# Altium PCB UmTRXv2.PcbDoc (part 14 of 25)
Units mm, origin at the board's own origin, x right, y up, seen from the top; angles counter-clockwise.
Board outline 159.5 x 99.5 mm, 6 copper layers (Top Layer, GND, MidLayer1, Mid-Layer 2, InternalPlane2, Bottom Layer), stack 1.526 mm thick; 708 components, 578 nets, 2802 pads, 1408 vias.
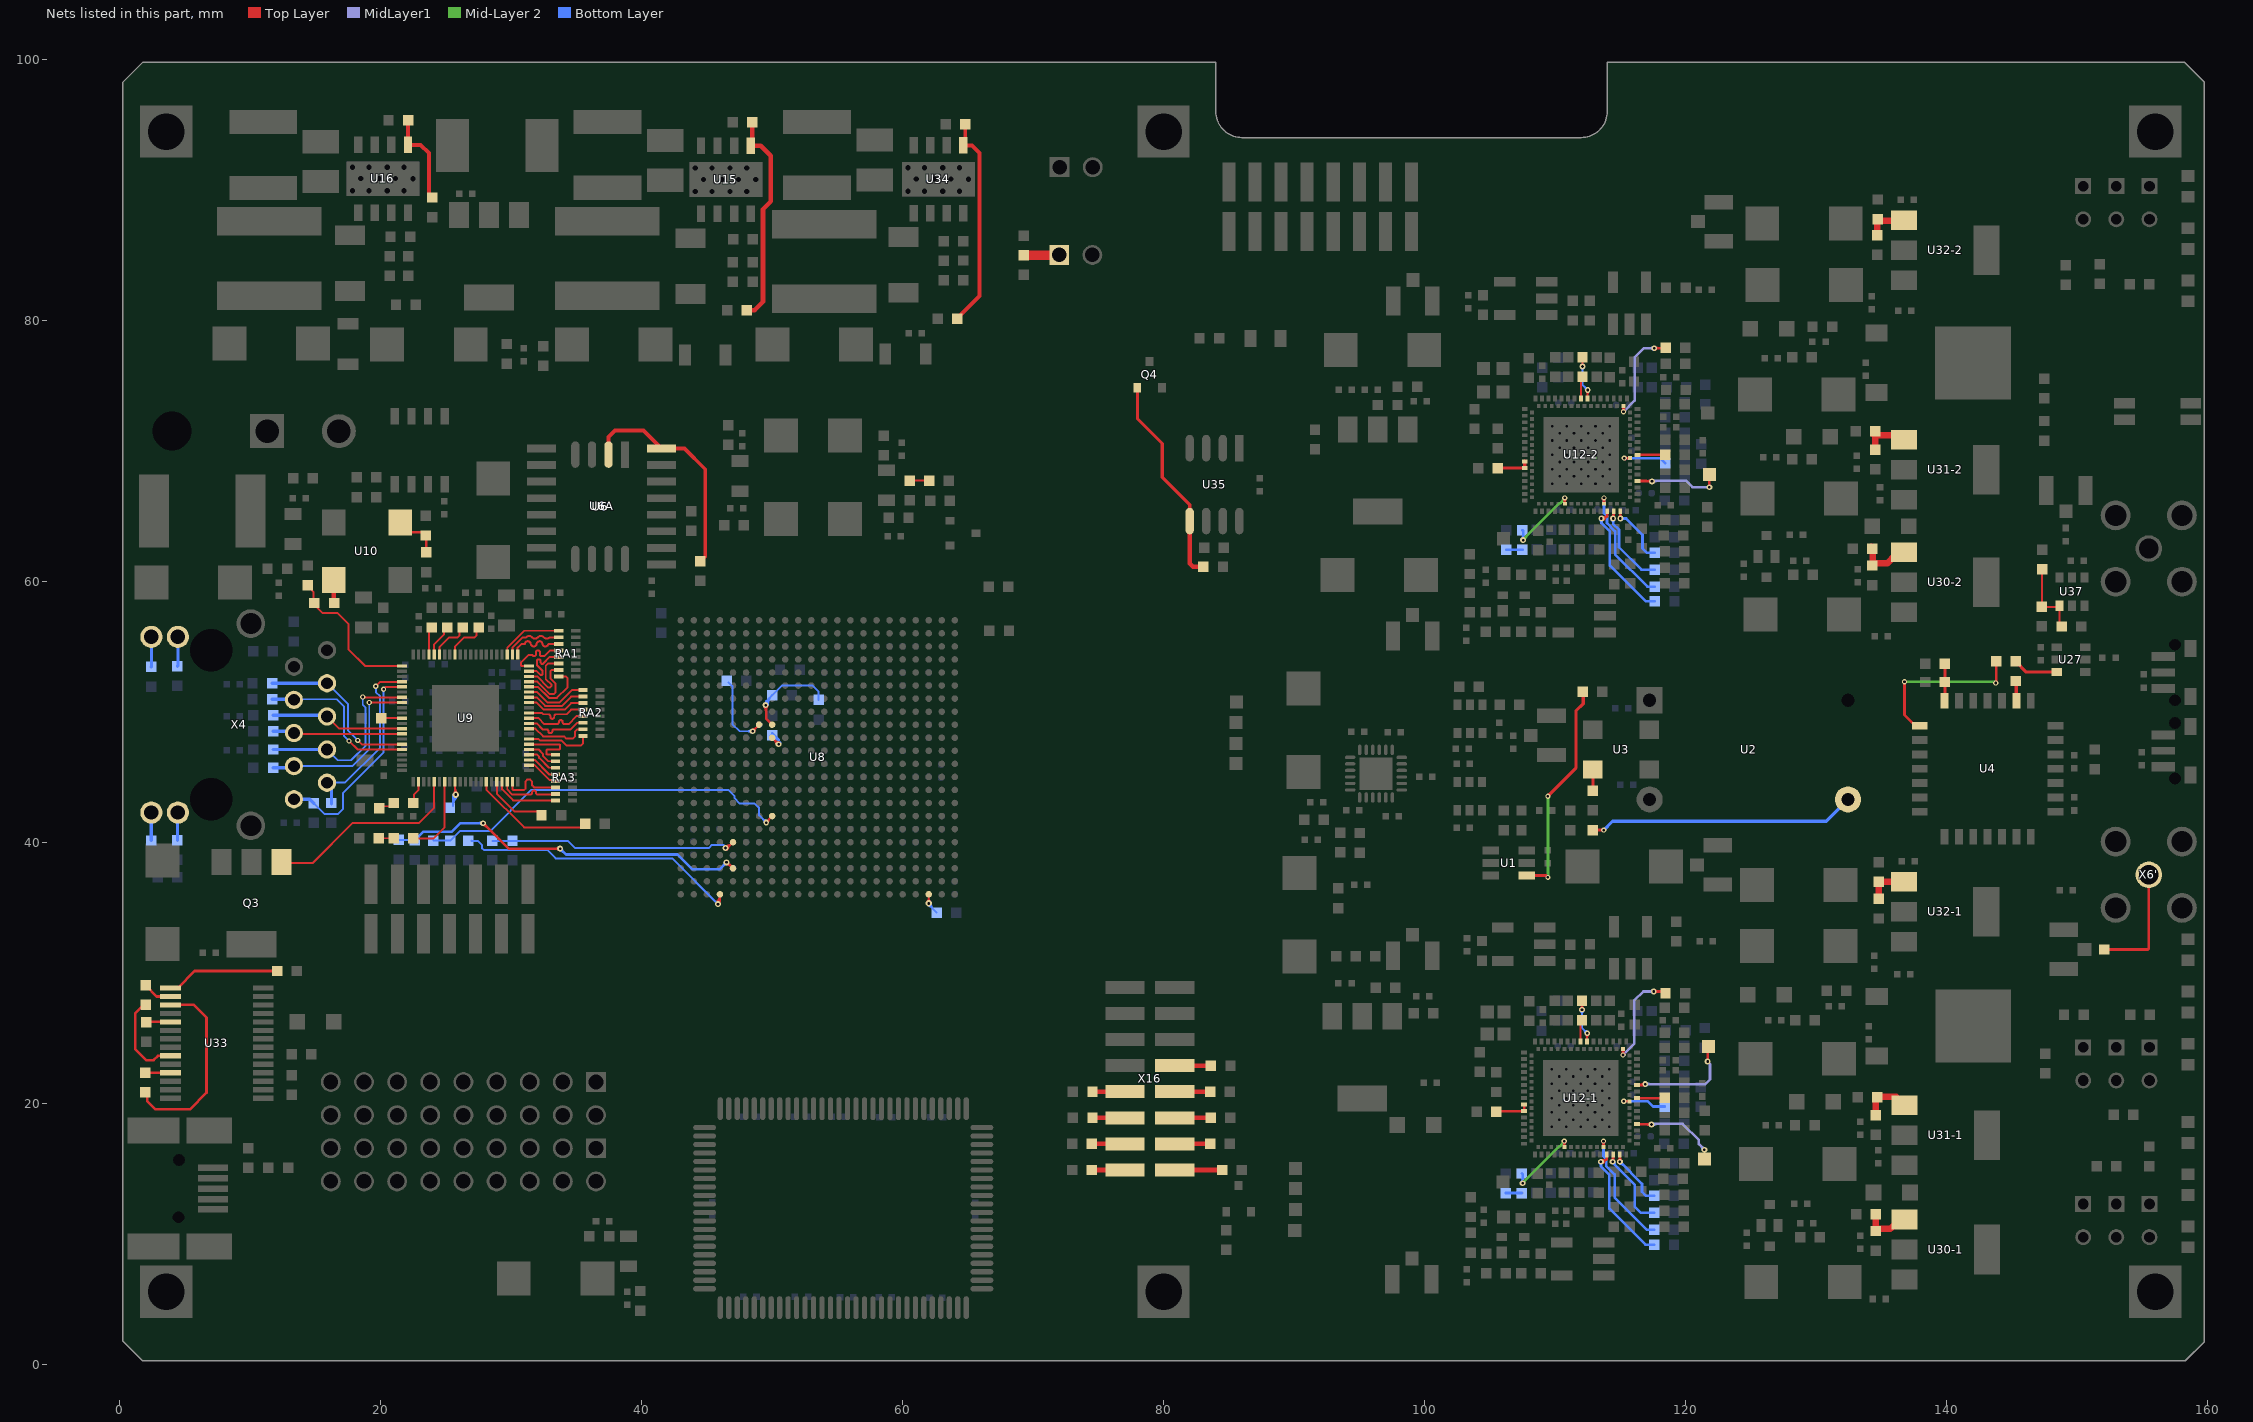
[diagram p18: the nets of this part, all layers, seen from the top]

## Via types
v1: diameter 0.5, hole 0.2, Top Layer to Bottom Layer, tented both sides, 441 vias
v2: diameter 0.45, hole 0.2, Top Layer to Bottom Layer, tented both sides, 429 vias
v3: diameter 0.7, hole 0.3, Top Layer to Bottom Layer, tented both sides, 258 vias
v4: diameter 0.4, hole 0.2, Top Layer to Bottom Layer, tented both sides, 197 vias
v5: diameter 0.8, hole 0.3, Top Layer to Bottom Layer, tented both sides, 61 vias
v6: diameter 0.6, hole 0.25, Top Layer to Bottom Layer, tented both sides, 16 vias
v7: diameter 0.6, hole 0.3, Top Layer to Bottom Layer, tented both sides, 4 vias
v8: diameter 1, hole 0.5, Top Layer to Bottom Layer, tented both sides, 2 vias

## Nets (pads, with @x,y where several pads share a name; then routed paths per layer and width w, separated by ;. In a path a pad name is that pad's centre, name@x,y a point inside that pad or via, vN(x,y) a via of type N, cw(c..) or ccw(c..) an arc to the next point about the centre after c; other vN are vias at no path point) (continued)
NetLED4_2: LED4.2 R29.2 | length 1.5
  Top Layer w0.15: R29.2@60.55,67.7 LED4.2@62.05,67.7
NetLED5_1: LED5.1 R55.1 | length 1.1
  Top Layer w0.15: LED5.1@19.9,42.6 20.05,42.75 20.75,42.75 R55.1@20.9,42.9
NetLED6_1: LED6.1 R57.1 | length 1.2
  Top Layer w0.15: LED6.1@19.85,40.3 R57.1@21,40.3
NetQ3_1: Q3.1 U9.47 | length 15.5
  Top Layer w0.15: Q3.1@12.4,38.475 12.475,38.4 14.775,38.4 17.825,41.45 22.9,41.45 24.1,42.65 U9.47@24.1,44.625
NetQ4_1: Q4.1 R174.2 U35.5 | length 16.5
  Top Layer w0.25: Q4.1@78,74.85 78,72.45 79.9,70.55 79.9,67.95 81.995,65.855 U35.5@81.995,64.603
  Top Layer w0.35: U35.5@81.995,64.603 81.995,61.355 82.25,61.1 R174.2@83.2,61.1
NetR4_1: R4.1 U1.1 | length 17
  Top Layer w0.25: U1.1@107.835,37.449 109.301,37.449 v4(109.45,37.3) ; v4(109.45,43.525) 111.6,45.675 111.6,50.05 112.15,50.6 112.15,51.5 R4.1@112.125,51.525
  Mid-Layer 2 w0.25: v4(109.45,37.3) v4(109.45,43.525)
NetR6_1: R6.1 U2.8 | length 20.5
  Top Layer w0.25: R6.1@112.9,40.925 v4(113.725,40.925)
  Bottom Layer w0.25: v4(113.725,40.925) 114.4,41.6 130.775,41.6 U2.8@132.45,43.275
NetR7_1: R7.1 U3.3 | length 1.6
  Top Layer w0.25: R7.1@112.9,43.95 U3.3@112.9,45.575
NetR9_1: R9.1 U4.15 | length 12.8
  Top Layer w0.2: v4(136.775,52.3) 136.775,49.75 137.6,48.925 U4.15@137.95,48.925 ; v4(143.775,52.2) 143.8,52.225 R9.1@143.8,53.85
  Mid-Layer 2 w0.2: v4(136.775,52.3) 143.675,52.3 v4(143.775,52.2)
NetR9_2: R9.2 R10.2 U27.3 | length 3.5
  Top Layer w0.25: R9.2@145.3,53.85 146.113,53.037 U27.3@148.445,53.037
NetR10_1: R10.1 U4.9 | length 1.5
  Top Layer w0.25: R10.1@145.3,52.35 145.35,52.3 U4.9@145.35,50.825
NetR14_2: R14.2 R18.2 U8.C18 | length 36.2
  Top Layer w0.2: v2(27.85,41.45) 29.8,39.5 v2(33.75,39.5) ; v2(46.5,38.45) 46.55,38.5 46.55,38.45 U8.C18@47,38 ; v2@27.85,41.325 cw(c27.85,41.023) 28.063,41.237 ; v2@27.85,41.325 cw(c27.85,41.023) 28.063,41.237 ; v2@27.85,41.325 cw(c27.85,41.023) 28.063,41.237 ; v2@27.975,41.45 ccw(c28.277,41.45) 28.063,41.237 ; v2@27.975,41.45 ccw(c28.277,41.45) 28.063,41.237 ; v2@27.975,41.45 ccw(c28.277,41.45) 28.063,41.237 ; 33.448,39.5 cw(c33.448,39.198) v2@33.662,39.412 ; 33.448,39.5 ccw(c33.448,39.802) v2@33.662,39.588 ; 33.448,39.5 ccw(c33.448,39.802) v2@33.662,39.588 ; 33.448,39.5 cw(c33.448,39.198) v2@33.662,39.412 ; 33.448,39.5 ccw(c33.448,39.802) v2@33.662,39.588 ; 33.448,39.5 cw(c33.448,39.198) v2@33.662,39.412 ; v2@46.5,38.325 cw(c46.5,37.903) 46.799,38.201 ; v2@46.5,38.325 cw(c46.5,37.903) 46.799,38.201 ; v2@46.5,38.325 cw(c46.5,37.903) 46.799,38.201
  Bottom Layer w0.15: R18.2@21.388,40.171 22.565,40.171 R14.2@22.604,40.133
  Bottom Layer w0.2: R14.2@22.604,40.133 23.271,40.8 25.45,40.8 26.1,41.45 v2(27.85,41.45) ; v2(33.75,39.5) 34.2,39.05 42.75,39.05 43.886,37.914 45.964,37.914 v2(46.5,38.45) ; 27.548,41.45 cw(c27.548,41.148) v2@27.762,41.362 ; 27.548,41.45 ccw(c27.548,41.752) v2@27.762,41.538 ; 27.548,41.45 ccw(c27.548,41.752) v2@27.762,41.538 ; 27.548,41.45 cw(c27.548,41.148) v2@27.762,41.362 ; 27.548,41.45 ccw(c27.548,41.752) v2@27.762,41.538 ; 27.548,41.45 cw(c27.548,41.148) v2@27.762,41.362 ; v2@33.75,39.375 cw(c33.75,39.073) 33.963,39.287 ; v2@33.75,39.375 cw(c33.75,39.073) 33.963,39.287 ; v2@33.75,39.375 cw(c33.75,39.073) 33.963,39.287 ; v2@33.875,39.5 ccw(c34.177,39.5) 33.963,39.287 ; v2@33.875,39.5 ccw(c34.177,39.5) 33.963,39.287 ; v2@33.875,39.5 ccw(c34.177,39.5) 33.963,39.287 ; 46.287,38.237 cw(c46.5,38.023) v2@46.5,38.325 ; 46.287,38.237 ccw(c46.073,38.45) v2@46.375,38.45 ; 46.287,38.237 ccw(c46.073,38.45) v2@46.375,38.45 ; 46.287,38.237 cw(c46.5,38.023) v2@46.5,38.325 ; 46.287,38.237 ccw(c46.073,38.45) v2@46.375,38.45 ; 46.287,38.237 cw(c46.5,38.023) v2@46.5,38.325
NetR15_2: R15.2 R20.1 U8.G15 | length 33.6
  Top Layer w0.15: U8.G15@50,42 49.55,41.55 v2(49.55,41.5) ; v2(49.55,41.5) ccw(c49.454,41.8) 49.759,41.719 ; v2(49.55,41.5) ccw(c49.454,41.8) 49.759,41.719 ; v2(49.55,41.5) ccw(c49.454,41.8) 49.759,41.719 ; v2@49.55,41.65 ccw(c49.55,41.891) 49.721,41.721 ; v2@49.55,41.65 ccw(c49.55,41.891) 49.721,41.721 ; v2@49.55,41.65 ccw(c49.55,41.891) 49.721,41.721 ; v2@49.7,41.5 cw(c50.183,41.5) U8.G15@49.841,41.841 ; v2@49.7,41.5 cw(c50.183,41.5) U8.G15@49.841,41.841 ; v2@49.7,41.5 cw(c50.183,41.5) U8.G15@49.841,41.841
  Bottom Layer w0.15: R20.1@24.036,40.12 R15.2@25.341,40.12 26.071,40.85 28.4,40.85 31.55,44 46.65,44 47.1,43.55 47.1,43.384 47.534,42.95 48.666,42.95 49,42.616 49,42.05 v2(49.55,41.5) ; 49.294,41.756 cw(c49.038,41.5) v2@49.4,41.5 ; 49.294,41.756 ccw(c49.55,42.012) v2@49.55,41.65 ; 49.294,41.756 ccw(c49.55,42.012) v2@49.55,41.65 ; 49.294,41.756 cw(c49.038,41.5) v2@49.4,41.5 ; 49.294,41.756 ccw(c49.55,42.012) v2@49.55,41.65 ; 49.294,41.756 cw(c49.038,41.5) v2@49.4,41.5
NetR16_2: R16.2 U8.A19 | length 30.6
  Top Layer w0.15: U8.A19@46,36 46,35.45 ; v2@45.744,35.356 ccw(c45.126,35.974) U8.A19@46,35.974 ; v2@45.744,35.356 ccw(c45.126,35.974) U8.A19@46,35.974 ; v2@45.744,35.356 ccw(c45.126,35.974) U8.A19@46,35.974 ; 45.825,35.496 ccw(c46.007,35.39) v2(45.85,35.25) ; 45.825,35.496 ccw(c46.007,35.39) v2(45.85,35.25) ; 45.825,35.496 ccw(c46.007,35.39) v2(45.85,35.25) ; v2@45.847,35.4 ccw(c45.845,35.559) 45.983,35.48 ; v2@45.847,35.4 ccw(c45.845,35.559) 45.983,35.48 ; v2@45.847,35.4 ccw(c45.845,35.559) 45.983,35.48 ; v2(45.85,35.25) ccw(c45.488,35.612) 46,35.612 ; v2(45.85,35.25) ccw(c45.488,35.612) 46,35.612 ; v2(45.85,35.25) ccw(c45.488,35.612) 46,35.612 ; v2(45.85,35.25) 45.85,35.3 46,35.45 ; v2@45.862,35.399 ccw(c45.877,35.573) 46,35.45 ; v2@45.862,35.399 ccw(c45.877,35.573) 46,35.45 ; v2@45.862,35.399 ccw(c45.877,35.573) 46,35.45 ; 45.928,35.676 ccw(c46.17,35.536) v2@45.962,35.35 ; 45.928,35.676 ccw(c46.17,35.536) v2@45.962,35.35 ; 45.928,35.676 ccw(c46.17,35.536) v2@45.962,35.35 ; v2@45.982,35.322 cw(c46.076,35.374) 46,35.45 ; v2@45.981,35.323 cw(c46.12,35.4) 45.983,35.48 ; v2@45.982,35.322 cw(c46.076,35.374) 46,35.45 ; v2@45.981,35.323 cw(c46.12,35.4) 45.983,35.48 ; v2@45.981,35.323 cw(c46.12,35.4) 45.983,35.48 ; v2@45.982,35.322 cw(c46.076,35.374) 46,35.45
  Bottom Layer w0.15: R16.2@26.94,40.12 26.959,40.1 27.45,40.1 27.75,39.8 27.75,39.55 27.9,39.4 32.75,39.4 33.4,38.75 42.35,38.75 v2(45.85,35.25) ; 45.594,35.506 cw(c45.338,35.25) v2@45.7,35.25 ; 45.594,35.506 ccw(c45.85,35.762) v2@45.85,35.4 ; 45.594,35.506 ccw(c45.85,35.762) v2@45.85,35.4 ; 45.594,35.506 cw(c45.338,35.25) v2@45.7,35.25 ; 45.594,35.506 ccw(c45.85,35.762) v2@45.85,35.4 ; 45.594,35.506 cw(c45.338,35.25) v2@45.7,35.25
NetR17_2: R17.2 R19.2 U8.E18 | length 24
  Top Layer w0.15: v2@46.5,39.7 ccw(c46.5,40.183) U8.E18@46.841,39.841 ; v2@46.65,39.55 cw(c46.891,39.55) 46.721,39.721 ; 46.69,39.772 ccw(c46.795,39.381) v2(46.428,39.552) ; U8.E18@47,40 46.55,39.55 46.43,39.55 v2(46.428,39.552) ; v2(46.428,39.552) ccw(c46.428,39.851) 46.64,39.64 cw(c46.428,39.851) v2(46.428,39.552) ; v2(46.428,39.552) cw(c46.733,39.417) 46.647,39.739 ccw(c46.733,39.417) v2(46.428,39.552) ; v2@46.428,39.702 ccw(c46.428,40.364) 46.896,39.896 cw(c46.428,40.364) v2@46.428,39.702 ; v2@46.449,39.403 ccw(c46.413,39.658) 46.661,39.592 cw(c46.413,39.658) v2@46.449,39.403
  Bottom Layer w0.15: R17.2@28.55,40.1 R19.2@30.1,40.1 30.125,40.075 34.375,40.075 34.9,39.55 45.145,39.55 45.22,39.625 45.384,39.789 46.261,39.789 ; v2@46.35,39.557 ccw(c46.044,39.572) 46.261,39.789 ; v2(46.428,39.552) 46.498,39.552 46.261,39.789 ; v2@46.493,39.7 cw(c46.478,40.006) 46.261,39.789 ; 46.261,39.789 cw(c46.151,39.68) 46.292,39.615 ccw(c46.151,39.68) 46.261,39.789 ; 46.292,39.758 ccw(c46.428,39.895) 46.428,39.702 cw(c46.428,39.895) 46.292,39.758
NetR21_2: R21.2 U8.P16 | length 11
  Top Layer w0.15: U8.P16@49,49 v2(48.5,48.5) ; v2(48.5,48.5) ccw(c48.447,48.757) 48.701,48.689 ; v2(48.5,48.5) cw(c48.757,48.447) 48.689,48.701 ; v2(48.5,48.5) cw(c48.757,48.447) 48.689,48.701 ; v2(48.5,48.5) ccw(c48.447,48.757) 48.701,48.689 ; v2(48.5,48.5) ccw(c48.447,48.757) 48.701,48.689 ; v2(48.5,48.5) cw(c48.757,48.447) 48.689,48.701 ; v2@48.5,48.65 ccw(c48.5,49.012) 48.756,48.756 ; v2@48.5,48.65 ccw(c48.5,49.012) 48.756,48.756 ; v2@48.5,48.65 ccw(c48.5,49.012) 48.756,48.756 ; v2@48.65,48.5 cw(c49.012,48.5) 48.756,48.756 ; v2@48.65,48.5 cw(c49.012,48.5) 48.756,48.756 ; v2@48.65,48.5 cw(c49.012,48.5) 48.756,48.756
  Bottom Layer w0.15: R21.2@46.65,52.25 46.95,51.95 46.95,49.05 47.5,48.5 v2(48.5,48.5) ; 48.138,48.5 cw(c48.138,48.138) v2@48.394,48.394 ; 48.138,48.5 ccw(c48.138,48.862) v2@48.394,48.606 ; 48.138,48.5 ccw(c48.138,48.862) v2@48.394,48.606 ; 48.138,48.5 cw(c48.138,48.138) v2@48.394,48.394 ; 48.138,48.5 ccw(c48.138,48.862) v2@48.394,48.606 ; 48.138,48.5 cw(c48.138,48.138) v2@48.394,48.394
NetR23_2: R23.2 U8.N15 | length 8.3
  Top Layer w0.2: U8.N15@50,48 v2(50.5,47.5) ; v2@50.35,47.5 ccw(c49.988,47.5) 50.244,47.756 ccw(c50.5,48.012) v2@50.5,47.65 ; 50.287,47.713 cw(c50.073,47.5) 50.375,47.5 ccw(c50.073,47.5) 50.287,47.713 ; 50.287,47.713 ccw(c50.5,47.927) 50.5,47.625 cw(c50.5,47.927) 50.287,47.713
  Bottom Layer w0.2: R23.2@50.273,47.9 cw(c49.99,47.619) v2@50.378,47.528 ; R23.2@50.34,48.01 cw(c49.832,47.503) v2@50.55,47.5 ; v2@50.35,47.501 ccw(c49.155,47.505) 50,48.35 50.5,47.85 ; v2@50.397,47.609 ccw(c50.167,47.85) 50.5,47.85 ; v2(50.5,47.5) 50.5,47.85 ; v2@50.603,47.609 cw(c50.833,47.85) 50.5,47.85 ; 50.5,47.802 cw(c50.198,47.802) 50.412,47.588 ccw(c50.198,47.802) 50.5,47.802 ; 50.5,47.802 ccw(c50.802,47.802) 50.588,47.588 cw(c50.802,47.802) 50.5,47.802 ; R23.2@50.194,48.093 ccw(c50.964,48.296) 50.563,47.608 cw(c50.964,48.296) R23.2@50.194,48.093 ; v2@50.419,47.596 ccw(c50.305,47.732) 50.477,47.777 cw(c50.305,47.732) v2@50.419,47.596
NetR24_2: R24.2 R67.2 U8.P15 | length 13.2
  Top Layer w0.2: v2@49.394,50.394 cw(c49.045,50.045) 49.539,50.045 ; v2(49.5,50.5) 49.539,50.461 49.539,49.461 U8.P15@50,49 ; 49.539,50.231 cw(c49.769,50.231) v2@49.606,50.394 ; v2@49.412,50.412 cw(c49.105,50.105) 49.539,50.105 ccw(c49.105,50.105) v2@49.412,50.412
  Bottom Layer w0.15: v2@49.442,50.665 ccw(c49.394,50.801) 49.539,50.801 ; v2@49.525,50.5 cw(c50.22,50.5) R67.2@49.729,50.991 ; v2@49.615,50.632 cw(c49.764,50.801) 49.539,50.801 ; v2@49.675,50.5 cw(c50.732,50.5) R67.2@49.985,51.247 ; R67.2@50,51.25 50.75,52 53.1,52 53.566,51.534 R24.2@53.566,50.896 ; R67.2@50.004,51.266 49.539,50.801 ; v2(49.5,50.5) ccw(c49.211,51) 49.769,50.85 cw(c49.211,51) v2(49.5,50.5) ; v2(49.5,50.5) 49.539,50.539 49.539,50.801 ; 49.539,50.801 cw(c49.353,50.801) 49.434,50.635 ccw(c49.353,50.801) 49.539,50.801 ; v2@49.428,50.631 ccw(c49.228,50.995) 49.629,50.888 cw(c49.228,50.995) v2@49.428,50.631 ; 49.539,50.769 ccw(c49.769,50.769) 49.606,50.606 cw(c49.769,50.769) 49.539,50.769 ; 49.602,50.787 ccw(c49.872,50.715) 49.63,50.575 cw(c49.872,50.715) 49.602,50.787
NetR41_1: R41.1 X4.13 | length 2.2
  Bottom Layer w0.25: X4.13@4.4,42.329 X4.13@4.46,42.269 4.425,42.234 R41.1@4.425,40.15
NetR42_1: R42.1 X4.12 | length 2.3
  Bottom Layer w0.25: R42.1@2.425,53.425 2.428,53.428 X4.12@2.428,55.731
NetR43_1: R43.1 X4.14 | length 2.1
  Bottom Layer w0.25: R43.1@2.425,40.125 2.425,42.266 X4.14@2.428,42.269 X4.14@2.425,42.272
NetR44_1: R44.1 X4.11 | length 2.3
  Bottom Layer w0.25: R44.1@4.425,53.475 4.46,53.51 X4.11@4.46,55.731
NetR45_2: R45.2 U9.25 X4.9 | length 13.9
  Top Layer w0.15: v4(19.625,51.95) 19.95,52.275 21.6,52.275 U9.25@21.625,52.3
  Bottom Layer w0.15: X4.9@15.89,44.555 17.262,44.555 19.95,47.243 19.95,51.175 19.625,51.5 v4(19.625,51.95)
  Bottom Layer w0.25: X4.9@15.89,44.555 16.225,44.22 R45.2@16.225,42.925
NetR47_2: R47.2 U9.26 X4.10 | length 16.3
  Top Layer w0.15: v4(20.225,51.725) 20.4,51.9 U9.26@21.625,51.9
  Bottom Layer w0.15: R47.2@14.875,42.975 15.7,42.15 16.725,42.15 17.125,42.55 17.125,43.775 20.225,46.875 v4(20.225,51.725)
  Bottom Layer w0.25: X4.10@13.35,43.285 14.565,43.285 R47.2@14.875,42.975
NetR48_2: R48.2 U9.28 X4.7 | length 14.7
  Top Layer w0.15: v4(18.625,51.125) 18.65,51.1 U9.28@21.625,51.1
  Bottom Layer w0.15: X4.7@15.89,47.095 16.71,46.275 17.725,46.275 18.85,47.4 18.85,50.3 18.625,50.525 v4(18.625,51.125)
  Bottom Layer w0.25: R48.2@11.75,47.1 15.885,47.1 X4.7@15.89,47.095
NetR49_2: R49.2 U9.29 X4.8 | length 14
  Top Layer w0.15: v4(19.125,50.7) U9.29@21.625,50.7
  Bottom Layer w0.15: X4.8@13.35,45.825 17.825,45.825 19.125,47.125 v4(19.125,50.7)
  Bottom Layer w0.25: R49.2@11.75,45.7 13.225,45.7 X4.8@13.35,45.825
NetR50_2: R50.2 U9.34 X4.5 | length 10.3
  Top Layer w0.15: X4.5@15.89,49.635 16.825,48.7 U9.34@21.625,48.7
  Bottom Layer w0.25: R50.2@11.75,49.725 15.8,49.725 X4.5@15.89,49.635
NetR51_2: R51.2 U9.35 X4.6 | length 10
  Top Layer w0.15: X4.6@13.35,48.365 13.415,48.3 U9.35@21.625,48.3
  Bottom Layer w0.25: R51.2@11.75,48.5 13.215,48.5 X4.6@13.35,48.365
NetR52_2: R52.2 U9.16 | length 2.9
  Top Layer w0.15: U9.16@24.5,54.375 24.5,54.95 25.25,55.7 25.9,55.7 26.05,55.85 R52.2@26.05,56.25
NetR53_2: R53.2 U9.17 | length 2.5
  Top Layer w0.15: U9.17@24.1,54.375 24.1,55.15 24.85,55.9 24.85,56.2 R53.2@25.1,56.45
NetR54_2: R54.2 U9.18 | length 2.2
  Top Layer w0.15: U9.18@23.7,54.375 23.7,56.25 R54.2@23.9,56.45
NetR55_2: R55.2 U9.44 | length 1.8
  Top Layer w0.15: R55.2@22.55,43 22.55,43.65 22.9,44 U9.44@22.9,44.625
NetR56_2: R56.2 U9.13 | length 3.3
  Top Layer w0.15: U9.13@25.7,54.375 25.7,55 26.4,55.7 27.2,55.7 27.35,55.85 27.35,56.3 R56.2@27.5,56.45
NetR57_2: R57.2 U9.49 | length 6.2
  Top Layer w0.15: R57.2@22.5,40.275 24.025,40.275 24.9,41.15 U9.49@24.9,44.625
NetR58_2: R58.2 U9.37 X4.3 | length 13.1
  Top Layer w0.15: v4(18.25,47.8) 18.55,47.5 U9.37@21.625,47.5
  Bottom Layer w0.15: X4.3@15.89,52.175 17.5,50.565 17.5,48.55 v4(18.25,47.8)
  Bottom Layer w0.25: R58.2@11.675,52.175 X4.3@15.89,52.175
NetR59_2: R59.2 U9.38 X4.4 | length 12.9
  Top Layer w0.15: v4(17.575,47.75) 18.225,47.1 U9.38@21.625,47.1
  Bottom Layer w0.15: X4.4@13.305,50.95 16.625,50.95 17.175,50.4 17.175,48.15 v4(17.575,47.75)
  Bottom Layer w0.25: R59.2@11.675,50.95 13.305,50.95 X4.4@13.35,50.905
NetR60_1: R60.1 U9.32 | length 1.6
  Top Layer w0.15: R60.1@20.05,49.5 U9.32@21.625,49.5
NetR61_1: R61.1 U9.51 | length 12.8
  Top Layer w0.15: U9.51@25.7,44.625 25.7,43.7 v1(25.75,43.65) ; v1@25.626,43.774 ccw(c25.448,43.952) 25.7,43.952 ; v1@25.626,43.774 ccw(c25.448,43.952) 25.7,43.952 ; v1@25.626,43.774 ccw(c25.448,43.952) 25.7,43.952 ; 25.7,44.193 ccw(c26.293,44.193) v1@25.874,43.774 ; 25.7,44.193 ccw(c26.293,44.193) v1@25.874,43.774 ; 25.7,44.193 ccw(c26.293,44.193) v1@25.874,43.774
  Bottom Layer w0.15: R61.1@25.55,42.8 25.55,43.45 v1(25.75,43.65) ; R61.1@25.55,42.777 cw(c26.579,42.777) v1@25.87,43.523 ; R61.1@25.55,42.777 cw(c26.579,42.777) v1@25.87,43.523 ; R61.1@25.55,42.777 cw(c26.579,42.777) v1@25.87,43.523 ; 25.55,43.126 cw(c26.247,43.126) v1@25.767,43.632 ; 25.55,43.126 cw(c26.247,43.126) v1@25.767,43.632 ; 25.55,43.126 cw(c26.247,43.126) v1@25.767,43.632 ; 25.55,43.475 cw(c25.916,43.475) v1@25.664,43.741 ; 25.55,43.475 cw(c25.916,43.475) v1@25.664,43.741 ; 25.55,43.475 cw(c25.916,43.475) v1@25.664,43.741 ; 25.585,43.335 cw(c25.857,43.168) v1@25.788,43.479 ; 25.585,43.335 ccw(c25.379,43.461) v1@25.594,43.57 ; 25.585,43.335 ccw(c25.379,43.461) v1@25.594,43.57 ; 25.585,43.335 cw(c25.857,43.168) v1@25.788,43.479 ; 25.585,43.335 ccw(c25.379,43.461) v1@25.594,43.57 ; 25.585,43.335 cw(c25.857,43.168) v1@25.788,43.479 ; v1@25.613,43.541 cw(c25.34,43.324) 25.637,43.142 ; v1@25.613,43.541 cw(c25.34,43.324) 25.637,43.142 ; v1@25.613,43.541 cw(c25.34,43.324) 25.637,43.142 ; v1@25.73,43.634 cw(c25.519,43.466) 25.749,43.325 ; v1@25.73,43.634 cw(c25.519,43.466) 25.749,43.325 ; v1@25.73,43.634 cw(c25.519,43.466) 25.749,43.325
NetR62_2: R62.2 R64.1 U10.1 | length 3.8
  Top Layer w0.2: U10.1@21.49,64.5 21.49,64.26 22,63.75 23.2,63.75 R62.2@23.45,63.5 23.5,63.45 R64.1@23.5,62.2
NetR63_1: R63.1 U10.3 | length 2.4
  Top Layer w0.15: U10.3@15.96,60.55 U10.3@16.41,60.1
  Top Layer w0.35: U10.3@16.41,60.1 16.41,58.34 R63.1@16.425,58.325
NetR63_2: R63.2 R78.1 U9.22 | length 11.7
  Top Layer w0.15: R78.1@14.25,59.775 14.862,59.163 14.862,58.238 15.55,57.55 16.7,57.55 17.55,56.7 17.55,54.75 18.8,53.5 U9.22@21.625,53.5
NetR65_2: R65.2 R66.2 U4.14 | length 2.9
  Top Layer w0.25: U4.14@139.85,50.825 139.875,50.85 R66.2@139.875,52.275 R65.2@139.875,53.675
NetR79_1: R79.1 X16.9 | length 2.8
  Top Layer w0.35: X16.9@80.85,22.875 R79.1@83.625,22.875
NetR80-1_2: R80-1.2 U12-1.17 U12-1.19 | length 2.6
  Top Layer w0.2: R80-1.2@105.5,19.388 U12-1.19@107.632,19.388 U12-1.17@107.632,19.888
NetR80-2_2: R80-2.2 U12-2.17 U12-2.19 | length 2.6
  Top Layer w0.25: R80-2.2@105.6,68.68 U12-2.19@107.671,68.68 U12-2.17@107.671,69.18
NetR81_1: R81.1 X16.1 | length 3.7
  Top Layer w0.35: X16.1@80.85,14.875 R81.1@84.5,14.875
NetR82_1: R82.1 X16.2 | length 2.5
  Top Layer w0.35: R82.1@74.5,14.875 X16.2@77.05,14.875
NetR83_1: R83.1 X16.3 | length 2.7
  Top Layer w0.35: X16.3@80.85,16.875 R83.1@83.575,16.875
NetR84_1: R84.1 X16.4 | length 2.5
  Top Layer w0.35: R84.1@74.5,16.875 X16.4@77.05,16.875
NetR85_1: R85.1 X16.5 | length 2.7
  Top Layer w0.35: X16.5@80.85,18.875 R85.1@83.6,18.875
NetR86_1: R86.1 X16.6 | length 2.5
  Top Layer w0.35: R86.1@74.55,18.875 X16.6@77.05,18.875
NetR87_1: R87.1 X16.7 | length 2.7
  Top Layer w0.35: X16.7@80.85,20.875 R87.1@83.575,20.875
NetR88_1: R88.1 X16.8 | length 2.5
  Top Layer w0.35: R88.1@74.55,20.875 X16.8@77.05,20.875
NetR89_1: R89.1 U9.57 | length 9.5
  Top Layer w0.15: U9.57@28.1,44.625 28.1,44.025 31,41.125 35.375,41.125 R89.1@35.675,41.425
NetR90_2: R90.2 U9.59 | length 5
  Top Layer w0.15: U9.59@28.9,44.625 28.9,43.7 30.25,42.35 R90.2@32.4,42.35
NetR93_1: R93.1 U8.A3 | length 6.9
  Top Layer w0.15: v1(62,35.3) U8.A3@62,36 ; v1@61.876,35.424 ccw(c61.578,35.722) 62,35.722 ; v1@61.876,35.424 ccw(c61.578,35.722) 62,35.722 ; v1@61.876,35.424 ccw(c61.578,35.722) 62,35.722 ; 62,35.722 ccw(c62.422,35.722) v1@62.124,35.424 ; 62,35.722 ccw(c62.422,35.722) v1@62.124,35.424 ; 62,35.722 ccw(c62.422,35.722) v1@62.124,35.424
  Bottom Layer w0.15: v1(62,35.3) 62,35.2 R93.1@62.6,34.6 ; v1@61.991,35.277 cw(c61.825,34.855) R93.1@62.263,34.972 ; v1@61.991,35.277 cw(c61.825,34.855) R93.1@62.263,34.972 ; v1@61.991,35.277 cw(c61.825,34.855) R93.1@62.263,34.972 ; v1@62,35.125 cw(c62,34.944) 62.128,35.072 ; v1@62,35.125 cw(c62,34.944) 62.128,35.072 ; v1@62,35.125 cw(c62,34.944) 62.128,35.072 ; v1@62.175,35.3 ccw(c62.839,35.3) R93.1@62.369,34.831 ; v1@62.175,35.3 ccw(c62.839,35.3) R93.1@62.369,34.831 ; v1@62.175,35.3 ccw(c62.839,35.3) R93.1@62.369,34.831
NetR96-1_2: R96-1.2 R99-1.1 U30-1.1 | length 3.3
  Top Layer w0.5: R96-1.2@134.489,11.652 134.584,11.557 134.584,10.366 135.702,10.366 U30-1.1@136.338,11.002
NetR96-2_2: R96-2.2 R99-2.1 U30-2.1 | length 3.3
  Top Layer w0.5: R96-2.2@134.239,62.647 134.334,62.553 134.334,61.361 135.452,61.361 U30-2.1@136.088,61.997
NetR97-1_2: R97-1.2 R100-1.1 U31-1.1 | length 3.9
  Top Layer w0.5: R100-1.1@134.59,19.077 134.59,20.477 136.14,20.477 U31-1.1@136.79,19.827
NetR97-2_2: R97-2.2 R100-2.1 U31-2.1 | length 2.9
  Top Layer w0.5: R97-2.2@134.45,71.2 R97-2.2@134.55,71.2 ; R100-2.1@134.55,69.9 R97-2.2@134.55,71.2 ; R97-2.2@134.55,71.3 R97-2.2@134.55,71.2 ; U31-2.1@136,71.2 R97-2.2@134.55,71.2
NetR98-1_2: R98-1.2 R101-1.1 U32-1.1 | length 3.2
  Top Layer w0.5: R101-1.1@134.8,35.8 R98-1.2@134.8,36.975 ; R98-1.2@134.8,37.072 R98-1.2@134.8,36.975 ; U32-1.1@136.74,36.956 136.74,36.975 R98-1.2@134.8,36.975
NetR98-2_2: R98-2.2 R101-2.1 U32-2.1 | length 3.1
  Top Layer w0.5: R101-2.1@134.7,86.5 134.7,87.622 136.55,87.622 U32-2.1@136.55,87.5
NetR104-1_2: R104-1.2 U12-1.72 | length 6
  Top Layer w0.2: v4@115.282,20.138 U12-1.72@115.707,20.138 ; v4@115.328,20.067 cw(c115.498,19.897) 115.498,20.138 ; v4@115.328,20.067 cw(c115.498,19.897) 115.498,20.138 ; v4@115.328,20.067 cw(c115.498,19.897) 115.498,20.138 ; v4@115.328,20.209 ccw(c115.498,20.379) 115.498,20.138 ; v4@115.328,20.209 ccw(c115.498,20.379) 115.498,20.138 ; v4@115.328,20.209 ccw(c115.498,20.379) 115.498,20.138
  Bottom Layer w0.2: v4(115.257,20.138) 117.112,20.138 117.512,19.738 R104-1.2@118.407,19.738 ; v4@115.328,20.067 cw(c115.498,19.897) 115.498,20.138 ; v4@115.328,20.067 cw(c115.498,19.897) 115.498,20.138 ; v4@115.328,20.067 cw(c115.498,19.897) 115.498,20.138 ; v4@115.328,20.209 ccw(c115.498,20.379) 115.498,20.138 ; v4@115.328,20.209 ccw(c115.498,20.379) 115.498,20.138 ; v4@115.328,20.209 ccw(c115.498,20.379) 115.498,20.138